# Altium PCB MOTHERBOARD.PcbDoc (part 4 of 4)
Units mm, origin at the board's own origin, x right, y up, seen from the top; angles counter-clockwise.
Board outline 187 x 77 mm, 4 copper layers (Top Layer, Layer 1, Layer 2, Bottom Layer), stack 1.57 mm thick; 266 components, 248 nets, 1158 pads, 1379 vias.
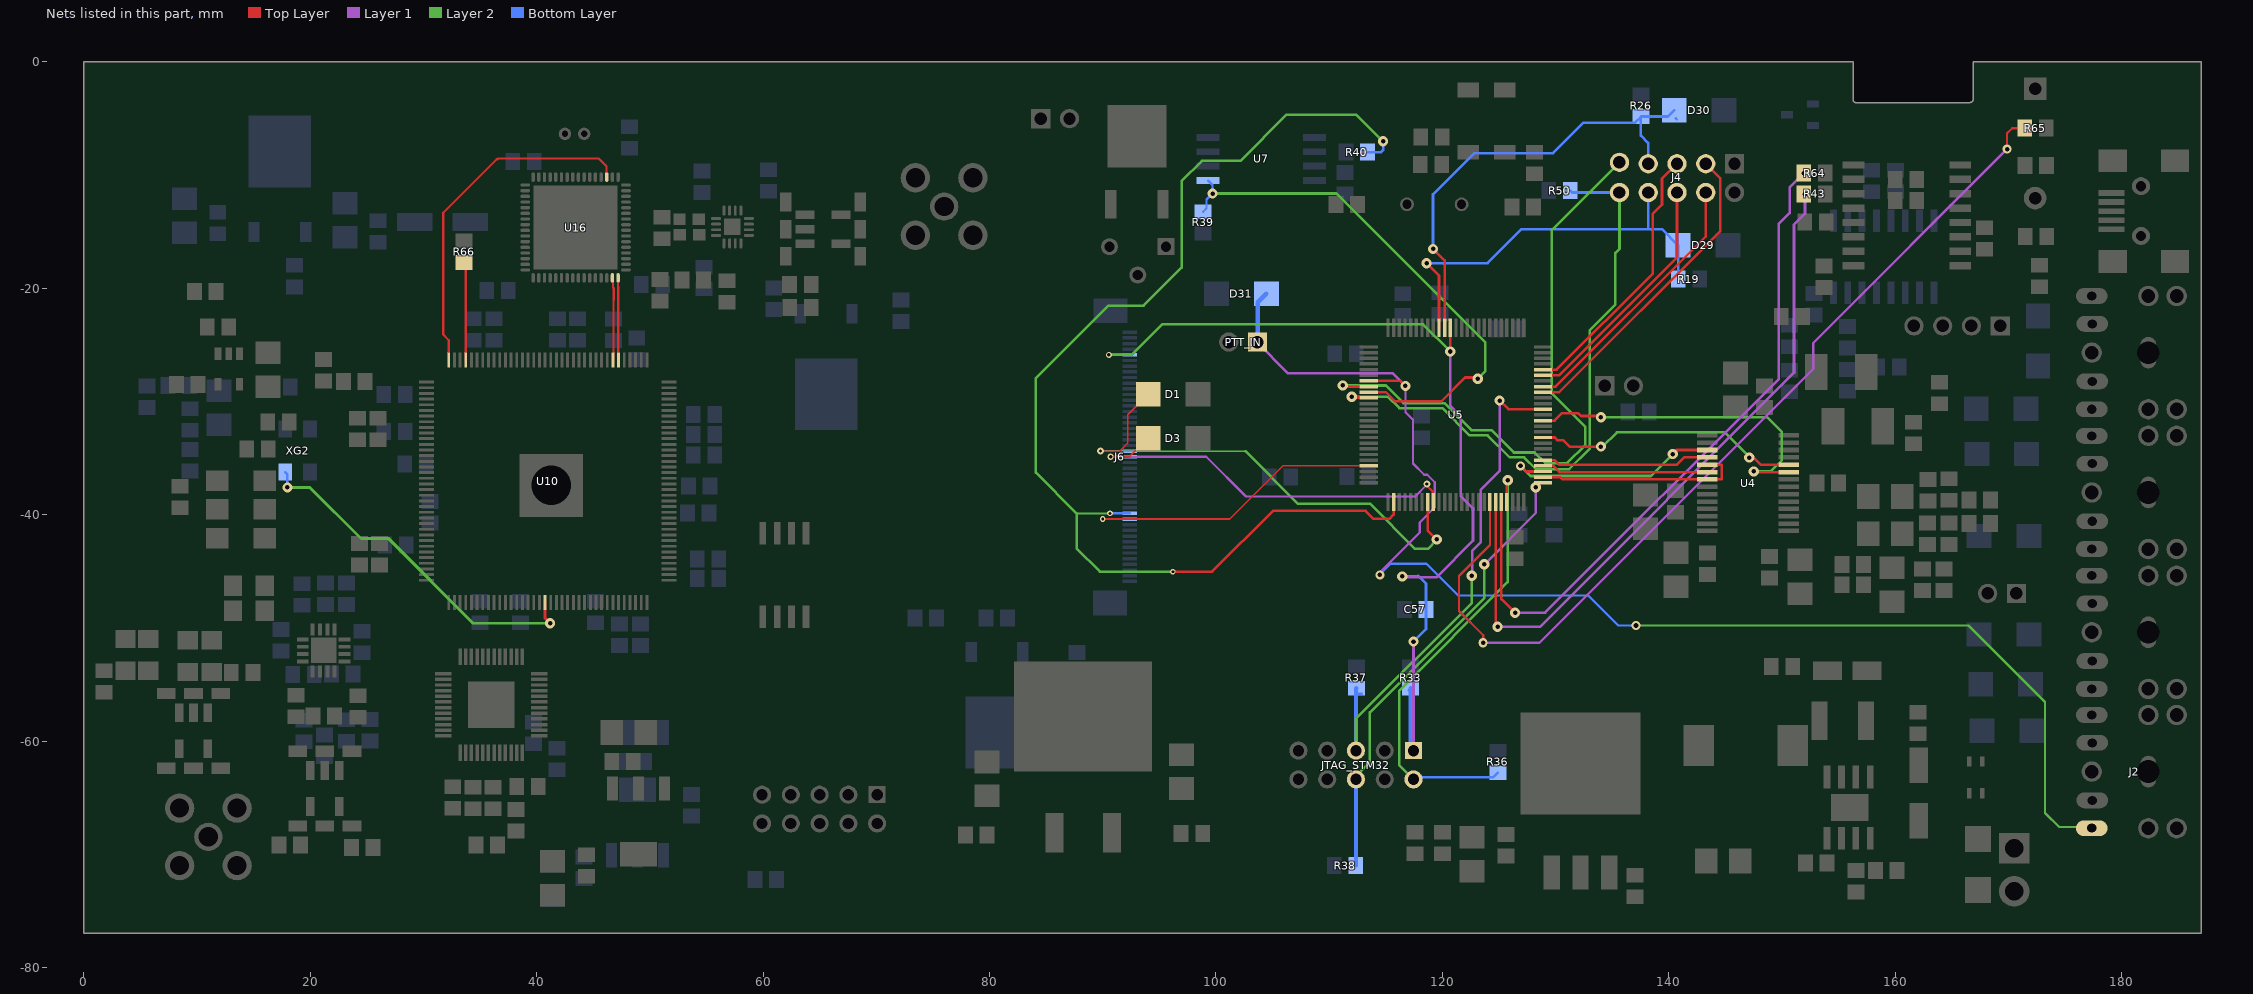
[diagram p6: the nets of this part, all layers, seen from the top]

## Via types
v1: diameter 0.6, hole 0.3, Top Layer to Bottom Layer, tented both sides, 922 vias
v2: diameter 0.9, hole 0.4, Top Layer to Bottom Layer, tented both sides, 305 vias
v3: diameter 0.5, hole 0.3, Top Layer to Bottom Layer, tented both sides, 73 vias
v4: diameter 0.8, hole 0.4, Top Layer to Bottom Layer, tented both sides, 21 vias
v5: diameter 0.5, hole 0.25, Top Layer to Bottom Layer, tented both sides, 16 vias
v6: diameter 0.55, hole 0.3, Top Layer to Bottom Layer, tented both sides, 13 vias
v7: diameter 4, hole 3, Top Layer to Bottom Layer, 10 vias
v8: diameter 0.6, hole 0.25, Top Layer to Bottom Layer, tented both sides, 10 vias
v9: diameter 2, hole 1.5, Top Layer to Bottom Layer, 2 vias
v10: diameter 0.45, hole 0.2, Top Layer to Bottom Layer, tented both sides, 2 vias
v11: diameter 0.7, hole 0.4, Top Layer to Bottom Layer, tented both sides, 2 vias
v12: diameter 3.5, hole 3, Top Layer to Bottom Layer, 1 vias
v13: diameter 0.5, hole 0.2, Top Layer to Bottom Layer, tented both sides, 1 vias
v14: diameter 4, hole 3.5, Top Layer to Bottom Layer, 1 vias

## Nets (pads, with @x,y where several pads share a name; then routed paths per layer and width w, separated by ;. In a path a pad name is that pad's centre, name@x,y a point inside that pad or via, vN(x,y) a via of type N, cw(c..) or ccw(c..) an arc to the next point about the centre after c; other vN are vias at no path point) (continued)
PERI_SCK: J6.33 R40.2 U5.52 | length 101.8
  Top Layer w0.23: v5(96.2,-45.05) 99.675,-45.05 105.05,-39.675 113.225,-39.675 113.925,-40.375 115.325,-40.375 115.7,-40 U5.52@115.7,-38.9
  Layer 2 w0.2: 87.7,-39.9 v5(90.65,-39.9)
  Layer 2 w0.23: v5(96.2,-45.05) 89.75,-45.05 87.7,-43 87.7,-39.9 84.1,-36.3 84.1,-27.95 90.5,-21.55 93.625,-21.55 96.975,-18.2 96.975,-10.55 98.76,-8.765 102.16,-8.765 106.25,-4.675 112.375,-4.675 114.735,-7.035 v2(114.762,-7.035)
  Bottom Layer w0.23: v5(90.65,-39.9) J6.33@92.4,-39.9 ; R40.2@113.395,-7.995 114.58,-7.995 114.762,-7.814 v2(114.762,-7.035)
PGA: U10.42 U16.64 | length 7.3
  Top Layer w0.2: U16.64@47.2,-19.1 47.2,-19.825 47.225,-19.85 47.225,-26.325 U10.42@47.25,-26.35
PREAMP: R66.2 U10.69 | length 8.7
  Top Layer w0.2: R66.2@33.6,-17.75 33.75,-17.9 U10.69@33.75,-26.35
PTT_IN: D31.1 J2.3 PTT_IN.1 U5.32 | length 121.4
  Top Layer w0.23: U5.32@113.5,-28.2 116.302,-28.2 v2(116.736,-28.635)
  Layer 1 w0.2: v4(114.475,-45.325) 114.475,-45.115 118,-41.59 118,-40.696 119.331,-39.365 119.331,-37.153 118.654,-36.477 118.391,-36.477 117.4,-35.486 117.4,-31.633 116.736,-30.97 v2(116.736,-28.635)
  Layer 1 w0.23: PTT_IN.1@103.569,-24.736 106.356,-27.524 115.626,-27.524 v2(116.736,-28.635)
  Layer 2 w0.2: v4(137.1,-49.8) 166.475,-49.8 173.225,-56.55 173.225,-66.35 174.475,-67.6 177.25,-67.6 J2.3@177.35,-67.7
  Bottom Layer w0.2: v4(114.475,-45.325) 115.45,-44.35 118.6,-44.35 121.4,-47.15 132.875,-47.15 135.525,-49.8 137.025,-49.8 v4(137.1,-49.8)
  Bottom Layer w0.381: PTT_IN.1@103.7,-24.8 103.7,-21.25 D31.1@104.45,-20.5
PWR_HOLD: D3.1 J6.23 U5.59 | length 37.4
  Top Layer w0.2: v6(90.7,-34.9) 92.35,-34.9 94,-33.25 D3.1@94.025,-33.25 ; v1(118.631,-37.302) 118.631,-37.452 119.15,-37.971 119.15,-38.85 U5.59@119.2,-38.9
  Layer 1 w0.2: v6(90.7,-34.9) 99.15,-34.9 102.65,-38.4 117.6,-38.4 118.631,-37.369 v1(118.631,-37.302)
  Bottom Layer w0.23: v6(90.7,-34.9) J6.23@92.4,-34.9
PWR_ON: D1.1 J6.22 U5.58 | length 47.2
  Top Layer w0.15: v8(89.8,-34.4) 91.5,-34.4 92.225,-33.675 92.225,-31.175 93,-30.4 93,-30.375 94,-29.375 D1.1@94.025,-29.375
  Top Layer w0.23: U5.58@118.7,-38.9 118.7,-41.4 v2(119.5,-42.2)
  Layer 2 w0.15: v8@89.808,-34.408 90.485,-34.408 90.493,-34.4 90.907,-34.4 90.915,-34.408 102.608,-34.408
  Layer 2 w0.23: v8(89.8,-34.4) v8@89.808,-34.408 ; 102.608,-34.408 107.26,-39.06 113.635,-39.06 117.6,-43.025 118.725,-43.025 119.5,-42.25 v2(119.5,-42.2)
  Bottom Layer w0.15: v8@89.808,-34.408 90.485,-34.408 90.493,-34.4 J6.22@91.975,-34.4
  Bottom Layer w0.23: v8(89.8,-34.4) v8@89.808,-34.408
RAND: U10.43 U16.63 | length 7.3
  Top Layer w0.2: U16.63@46.7,-19.1 46.75,-19.15 46.75,-19.941 46.808,-19.999 46.808,-21.035 46.8,-21.043 46.8,-26.3 U10.43@46.75,-26.35
RFUNT_ALC: J4.10 R50.1 U5.35 | length 54.1
  Top Layer w0.23: v2(112,-29.6) 112.065,-29.665 113.465,-29.665 U5.35@113.5,-29.7
  Layer 2 w0.23: v2(112,-29.6) 115.2,-29.6 116.2,-30.6 120,-30.6 122.4,-33 124,-33 125.95,-34.95 127.211,-34.95 128.261,-36 131.2,-36 133,-34.2 133,-23.725 135.275,-21.45 135.275,-16.9 135.64,-16.535 J4.10@135.64,-11.56
  Bottom Layer w0.23: R50.1@131.3,-11.4 131.46,-11.56 J4.10@135.64,-11.56
RFUNT_CLK: J4.4 U5.93 | length 23.7
  Top Layer w0.23: U5.93@128.9,-28.7 130,-28.7 143.26,-15.44 J4.4@143.26,-11.56
RFUNT_DATA: J4.6 U5.95 | length 21.9
  Top Layer w0.23: U5.95@128.9,-27.7 130.3,-27.7 140.72,-17.28 J4.6@140.72,-11.56
RFUNT_OE: J4.5 U5.96 | length 23.8
  Top Layer w0.23: U5.96@128.9,-27.2 130.1,-27.2 138.563,-18.738 138.563,-13.462 139.4,-12.625 139.4,-10.34 J4.5@140.72,-9.02
RFUNT_RCLK: J4.3 U5.92 | length 28
  Top Layer w0.23: U5.92@128.9,-29.2 130.3,-29.2 144.55,-14.95 144.55,-10.31 J4.3@143.26,-9.02
RFUNT_THERM: J4.9 U5.33 | length 55.9
  Top Layer w0.23: v2(111.2,-28.6) 111.3,-28.7 U5.33@113.5,-28.7
  Layer 2 w0.23: v2(111.2,-28.6) 115,-28.6 116.57,-30.17 120.178,-30.17 122.558,-32.55 124.35,-32.55 126.32,-34.52 128.15,-34.52 129.095,-35.465 131.01,-35.465 132.623,-33.852 132.623,-32.266 129.675,-29.318 129.675,-14.858 J4.9@135.64,-8.893
SD_CS: J6.34 U5.47 | length 27.8
  Top Layer w0.15: v5(90,-40.4) 101.225,-40.4 105.925,-35.7 U5.47@113.5,-35.7
  Bottom Layer w0.15: v5(90,-40.4) J6.34@92.4,-40.4
SHDN: U10.72 U16.19 | length 30.9
  Top Layer w0.2: U10.72@32.25,-26.35 32.25,-24.6 31.75,-24.1 31.75,-13.354 36.479,-8.625 36.55,-8.625 36.625,-8.55 45.5,-8.55 46.181,-9.231 46.181,-10.181 U16.19@46.2,-10.2
STM_NRST: C57.2 J6.5 JTAG_STM32.1 R33.1 U5.14 | length 85
  Top Layer w0.23: v2(120.7,-25.6) U5.14@120.7,-23.5
  Layer 1 w0.23: v2(116.451,-45.462) 116.529,-45.541 119.459,-45.541 122.702,-42.298 122.702,-39.454 121.61,-38.362 121.61,-31.31 120.7,-30.4 v2(120.7,-25.6) ; JTAG_STM32.1@117.45,-60.85 v2(117.45,-51.218)
  Layer 2 w0.23: v6(90.55,-25.9) 92.55,-25.9 95.25,-23.2 118.3,-23.2 v2(120.7,-25.6)
  Bottom Layer w0.23: v6(90.55,-25.9) J6.5@92.4,-25.9 ; v2(116.451,-45.462) 117.838,-45.462 117.88,-45.42 118.55,-46.091 C57.2@118.55,-48.375 118.55,-50.118 v2(117.45,-51.218) v2@117.45,-51.05 ; R33.1@117.025,-55.525 R33.1@117.2,-55.35
  Bottom Layer w0.381: R33.1@117.2,-55.35 117.2,-60.6 JTAG_STM32.1@117.45,-60.85
SWCLK: JTAG_STM32.6 R38.2 U5.76 | length 40.5
  Top Layer w0.23: v2(128.252,-37.582) 128.635,-37.2 U5.76@128.9,-37.2
  Layer 1 w0.23: v2(123.699,-44.395) 128.252,-39.841 v2(128.252,-37.582)
  Layer 2 w0.23: JTAG_STM32.6@112.37,-63.071 113.599,-61.843 113.599,-57.476 123.699,-47.377 v2(123.699,-44.395)
  Bottom Layer w0.381: R38.2@112.35,-71 112.37,-70.98 JTAG_STM32.6@112.37,-63.39
SWDIO: JTAG_STM32.2 R36.2 U5.72 | length 40.6
  Top Layer w0.23: U5.72@125.7,-38.9 125.7,-37.039 v2(125.771,-36.968)
  Layer 2 w0.23: JTAG_STM32.2@117.45,-63.39 116.175,-62.115 116.175,-55.575 125.771,-45.979 v2(125.771,-36.968)
  Bottom Layer w0.23: JTAG_STM32.2@117.45,-63.39 117.64,-63.2 124.5,-63.2 R36.2@124.9,-62.8
SWO: JTAG_STM32.5 R37.2 U5.89 | length 46.2
  Top Layer w0.23: v2(125.055,-29.936) 125.819,-30.7 U5.89@128.9,-30.7
  Layer 1 w0.23: v2(122.597,-45.4) 122.633,-45.4 122.633,-43.199 123.394,-42.438 123.394,-37.808 125.055,-36.147 v2(125.055,-29.936)
  Layer 2 w0.23: JTAG_STM32.5@112.37,-60.85 112.37,-58.03 122.597,-47.803 v2(122.597,-45.4)
  Bottom Layer w0.23: R37.2@112.525,-55.825 R37.2@112.875,-55.825
  Bottom Layer w0.381: JTAG_STM32.5@112.37,-60.85 112.37,-55.38 R37.2@112.4,-55.35
SWR_BACKW: D29.1 J4.8 R19.1 U5.16 | length 36.4
  Top Layer w0.23: v2(118.6,-17.804) 119.7,-18.904 U5.16@119.7,-23.5
  Bottom Layer w0.23: v2(118.6,-17.804) 123.996,-17.804 127,-14.801 139.376,-14.801 140.8,-16.225 D29.1@140.825,-16.225 R19.1@140.825,-19.2 ; J4.8@138.18,-11.56 138.18,-14.75 138.208,-14.779
SWR_FORW: D30.1 J4.7 R26.1 U5.15 | length 41.2
  Top Layer w0.23: v2(119.175,-16.539) 120.2,-17.564 U5.15@120.2,-23.5
  Bottom Layer w0.2: D30.1@140.6,-5 D30.1@140.72,-5.12
  Bottom Layer w0.23: v2(119.175,-16.539) 119.175,-11.725 122.825,-8.075 129.775,-8.075 132.464,-5.386 137.014,-5.386 R26.1@137.525,-4.875 ; J4.7@138.18,-9.02 138.18,-7.18 137.525,-6.525 R26.1@137.525,-4.875 ; D30.1@140.475,-4.3 139.924,-4.851 R26.1@137.549,-4.851 R26.1@137.525,-4.875
TCXO_CLK: U10.126 XG2.3 | length 31.7
  Top Layer w0.23: U10.126@40.75,-47.75 40.75,-49.15 v2(41.2,-49.6)
  Layer 2 w0.25: v2(18,-37.6) 19.975,-37.6 24.5,-42.125 26.875,-42.125 26.9,-42.1 34.4,-49.6 v2(41.2,-49.6)
  Bottom Layer w0.23: XG2.3@17.796,-36.254 18,-36.458 v2(18,-37.6)
USB_DN: R43.2 U5.70 | length 62.8
  Top Layer w0.23: U5.70@124.7,-38.9 124.7,-49.73 v2(124.881,-49.911)
  Top Layer w0.381: R43.2@151.825,-11.575 R43.2@151.925,-11.675
  Layer 1 w0.23: v2(124.881,-49.911) 128.614,-49.911 151.05,-27.475 151.05,-14.4 152.025,-13.425 v4(152.025,-11.725)
USB_DP: R64.2 U5.71 | length 61.2
  Top Layer w0.23: U5.71@125.2,-38.9 125.2,-47.455 v2(126.417,-48.672)
  Layer 1 w0.23: v2(126.417,-48.672) 129.082,-48.672 149.7,-28.055 149.7,-14.35 150.67,-13.38 150.67,-11.105 v4(151.925,-9.85)
USB_ID: R65.2 U5.69 | length 83.3
  Top Layer w0.2: v4(123.6,-51.325) 123.6,-50.65 121.475,-48.525 121.475,-45.425 124.2,-42.7 U5.69@124.2,-38.9 ; v4@169.925,-7.775 v4(169.875,-7.725) 169.875,-6.325 170.325,-5.875 R65.2@171.425,-5.875
  Layer 1 w0.2: v4(123.6,-51.325) 128.57,-51.325 152.75,-27.145 152.75,-24.85 v4(169.875,-7.725)
W26Q16_CS: R39.2 U5.34 U7.1 | length 47.2
  Top Layer w0.23: U5.34@113.5,-29.2 115,-29.2 115.8,-30 119.9,-30 122,-27.9 123.022,-27.9 v2(123.125,-28.004)
  Layer 2 w0.23: v2(99.705,-11.651) 110.651,-11.651 123.8,-24.8 123.8,-27.329 v2(123.125,-28.004)
  Bottom Layer w0.2: R39.2@98.875,-13.25 99.175,-12.95 99.175,-12.181 v2(99.705,-11.651) 99.705,-10.905 U7.1@99.3,-10.5
WM8731_ADC_SD: U4.6 U5.79 | length 14.7
  Top Layer w0.23: U5.79@128.9,-35.7 129.795,-35.7 130.345,-36.25 U4.6@143.4,-36.25
WM8731_BCLK: U4.3 U5.78 | length 20
  Top Layer w0.23: v4(126.9,-35.7) 127.4,-36.2 U5.78@128.9,-36.2 ; v2(140.353,-34.663) 140.716,-34.3 U4.3@143.4,-34.3
  Layer 2 w0.23: v4(126.9,-35.7) 127.8,-36.6 138.416,-36.6 v2(140.353,-34.663)
WM8731_DAC_SD: U4.4 U5.80 | length 14.9
  Top Layer w0.23: U5.80@128.9,-35.2 129.908,-35.2 130.308,-35.6 140.7,-35.6 141.35,-34.95 U4.4@143.4,-34.95
WM8731_SCK: U4.24 U5.84 | length 23.8
  Top Layer w0.23: U5.84@128.9,-33.2 129.928,-33.2 130.181,-33.453 130.689,-33.453 131.236,-34 v2(134,-34) ; v2(147.1,-34.97) 147.471,-34.97 148.101,-35.6 U4.24@150.6,-35.6
  Layer 2 w0.23: v2(134,-34) 134.154,-34 135.406,-32.748 144.955,-32.748 147.1,-34.893 v2(147.1,-34.97)
WM8731_SDA: U4.23 U5.87 | length 30.5
  Top Layer w0.23: U5.87@128.9,-31.7 129.9,-31.7 130.531,-31.069 132.009,-31.069 132.239,-31.298 133.898,-31.298 v2(134,-31.4) ; v2(147.491,-36.189) 147.552,-36.25 U4.23@150.6,-36.25
  Layer 2 w0.23: v2(134,-31.4) 148.675,-31.4 149.977,-32.702 149.977,-35.205 148.993,-36.189 v2(147.491,-36.189)
WM8731_WS_LRC: U4.5 U4.7 U5.77 | length 18.4
  Top Layer w0.23: U5.77@128.9,-36.7 130.388,-36.7 130.588,-36.9 144.675,-36.9 144.675,-35.6 U4.5@143.4,-35.6
pads on no net: J1.4 J1.5 J1.6 J1.7 J1.8 J1.9 J1.10 J2.4 J2.5 J2.6 J2.7 J2.8 J2.9 J2.10 J3.6 J3.7 J3.8 J3.9 J3.10 J5.4 J5.5 J5.6 J5.7 J5.8 J5.9 J5.10 J8.10 J8.11 JTAG_FPGA.6 JTAG_FPGA.7 JTAG_FPGA.8 JTAG_STM32.9 JTAG_STM32.10 T3.5 T4.5 T6.2 T6.5 T6.8 U4.2 U4.12 U4.13 U4.26 U5.2 U5.68 U5.83 U5.90 U8.25 U10.7 U10.10 U10.11 U10.23 U10.24 U10.25 U10.39 U10.80 U10.83 U10.91 U10.127 U10.128 U10.129 U16.21 U16.22 U16.23 U16.24 U16.25 U16.26 U16.27 U16.28 U16.29 U16.30 U16.33 U16.34 U16.35 U16.36 U16.37 U16.38 U16.39 U16.40 U17.6 U17.7 XG2.1

## Polygon pours and split planes (outlines as drawn)
GND on Bottom Layer "Bottom Layer, Bottom-GND" (solid, remove dead copper, pour order 4): 0.25,-0.25 186.75,-0.25 186.75,-76.75 0.25,-76.75
+3V3 on Bottom Layer "Bottom Layer, Bottom-3V3" (solid, remove dead copper, pour order 2): 126,-56 126,-68 138,-68 138,-56
GND on Top Solder "Top Layer, Top-GND 2" (solid, pour order 10): 138.6,-75 174.2,-75 174.2,-76.4 138.6,-76.4
GND on Top Solder "Top Layer, Top-GND 1" (solid, pour order 14): 172.1,-76.4 172.1,-49.2 174.3,-49.2 174.3,-76.4
GND on Top Solder "Top Layer, Top-GND 3" (solid, pour order 8): 173,-51.2 138.6,-51.2 138.6,-49.2 173,-49.2
GND on Top Solder "Top Layer, Top-GND 4" (solid, pour order 6): 138.6,-72.2 138.6,-49.2 140.6,-49.2 140.6,-72.2
GND on Layer 2 "Layer 2-GND" (solid, remove dead copper, pour order 18): 0.25,-0.25 186.75,-0.25 186.75,-76.75 0.25,-76.75
GND on Layer 1 "Layer 1-GND" (solid, remove dead copper, pour order 16): 0.25,-0.25 186.75,-0.25 186.75,-76.75 0.25,-76.75
GND on Top Layer "Top Layer, Top-GND" (solid, remove dead copper, pour order 0): 0.25,-0.25 186.75,-0.25 186.75,-76.75 0.25,-76.75

## Keep-outs
Keep-Out Layer, Board:
  lines w0.15: 166.602,-3.618 156.525,-3.618 cw(c156.525,-3.368) 156.275,-3.368 156.275,0 0,0 0,-77 187,-77 187,0 166.875,0 166.875,-3.345 ; 166.62,-3.6 ccw(c166.62,-3.35) 166.87,-3.35

## Other copper
Top Layer:
  rectangle net NetC124_2: 13.375,-13.6 21.375,-1.7
Bottom Layer:
  rectangle net NetC124_2: 13.2,-13.1 21.325,-1.6
  rectangle net +2V5: 75.6,-69.6 85.95,-54.125
  rectangle net +1V2: 60.825,-37.75 70.372,-24.25

## Silkscreen, mask and mechanical layers (free items; w line width, h text height)
Top Overlay:
  circle w0.4: c51.6,-47.6 r0.2
  rectangle: 142.9,-7.7 145.6,-7.1
  lines w0.254: 41.3,-37.35 41.3,-37.427 41.302,-37.427 ; 43.45,-14.675 43.45,-14.625 43.45,-14.65 ; 132.25,-20.1 132.25,-19.3 ; 163.559,-41.676 165.534,-41.676 165.683,-41.825 168.3,-41.825 168.951,-42.476 ; 165.65,-25.05 166.375,-25.05 170.15,-28.825 ; 166.75,-28.825 173.4,-28.825 ; 171.96,-45.685 173.025,-44.62
  text "UA3REO TRX WOLF" at 72.25,-39.95 h2.54
  text "MOTHERBOARD rev31" at 75.1,-41.65 h1.52
  text "by ra9ucn V1" at 81.675,-43.214 h1.52
  text "+5V" at 138.95,-74.008 h1.52
Bottom Overlay:
  text "KEY" at 185.621,-23.854 h1.52 r90
  text "FRONT PANEL" at 97.6,-30.6 h1.52 r90
  text "PHONE" at 185.621,-34.679 h1.52 r90
  text "LINE" at 185.621,-47.804 h1.52 r90
  text "MIC" at 185.621,-60.904 h1.52 r90

## Text inside footprints (layer, text, board x,y; h text height)
BOOT: Mechanical 1, Top Assy "BOARD EDGE" at 133.418,-26.999 h1.52
J1: Mechanical 1, Top Assy "BOARD" at 188.172,-48.323 h0.42 r90; Mechanical 1, Top Assy "EDGE" at 189.015,-48.156 h0.42 r90; Mechanical 1, Top Assy "BOARD" at 188.172,-54.823 h0.42 r90; Mechanical 1, Top Assy "EDGE" at 189.015,-54.656 h0.42 r90
J2: Mechanical 1, Top Assy "BOARD" at 188.172,-60.623 h0.42 r90; Mechanical 1, Top Assy "EDGE" at 189.015,-60.456 h0.42 r90; Mechanical 1, Top Assy "BOARD" at 188.172,-67.123 h0.42 r90; Mechanical 1, Top Assy "EDGE" at 189.015,-66.956 h0.42 r90
J3: Mechanical 1, Top Assy "BOARD" at 188.172,-35.973 h0.42 r90; Mechanical 1, Top Assy "EDGE" at 189.015,-35.806 h0.42 r90; Mechanical 1, Top Assy "BOARD" at 188.172,-42.473 h0.42 r90; Mechanical 1, Top Assy "EDGE" at 189.015,-42.306 h0.42 r90
J5: Mechanical 1, Top Assy "BOARD" at 188.172,-23.623 h0.42 r90; Mechanical 1, Top Assy "EDGE" at 189.015,-23.456 h0.42 r90; Mechanical 1, Top Assy "BOARD" at 188.172,-30.123 h0.42 r90; Mechanical 1, Top Assy "EDGE" at 189.015,-29.956 h0.42 r90
J7: Mechanical 1, Top Assy "BOARD EDGE" at 83.618,-3.399 h0.42
J8: Mechanical 1, Top Assy "BOARD" at 186.87,-15.637 h1.52 r90; Mechanical 1, Top Assy "EDGE" at 186.88,-12.707 h1.52 r90
MIC_IN2: Mechanical 1, Top Assy "BOARD EDGE" at 171.607,-48.601 h1.52 r180
PTT_IN: Mechanical 1, Top Assy "BOARD EDGE" at 104.582,-26.401 h1.52 r180
U10: Mechanical 15 "*" at 53.573,-47.058 h1.27; Mechanical 15 "*" at 53.573,-47.058 h1.27